# Allegro board 6089-119-RevA_41.brd (continued)
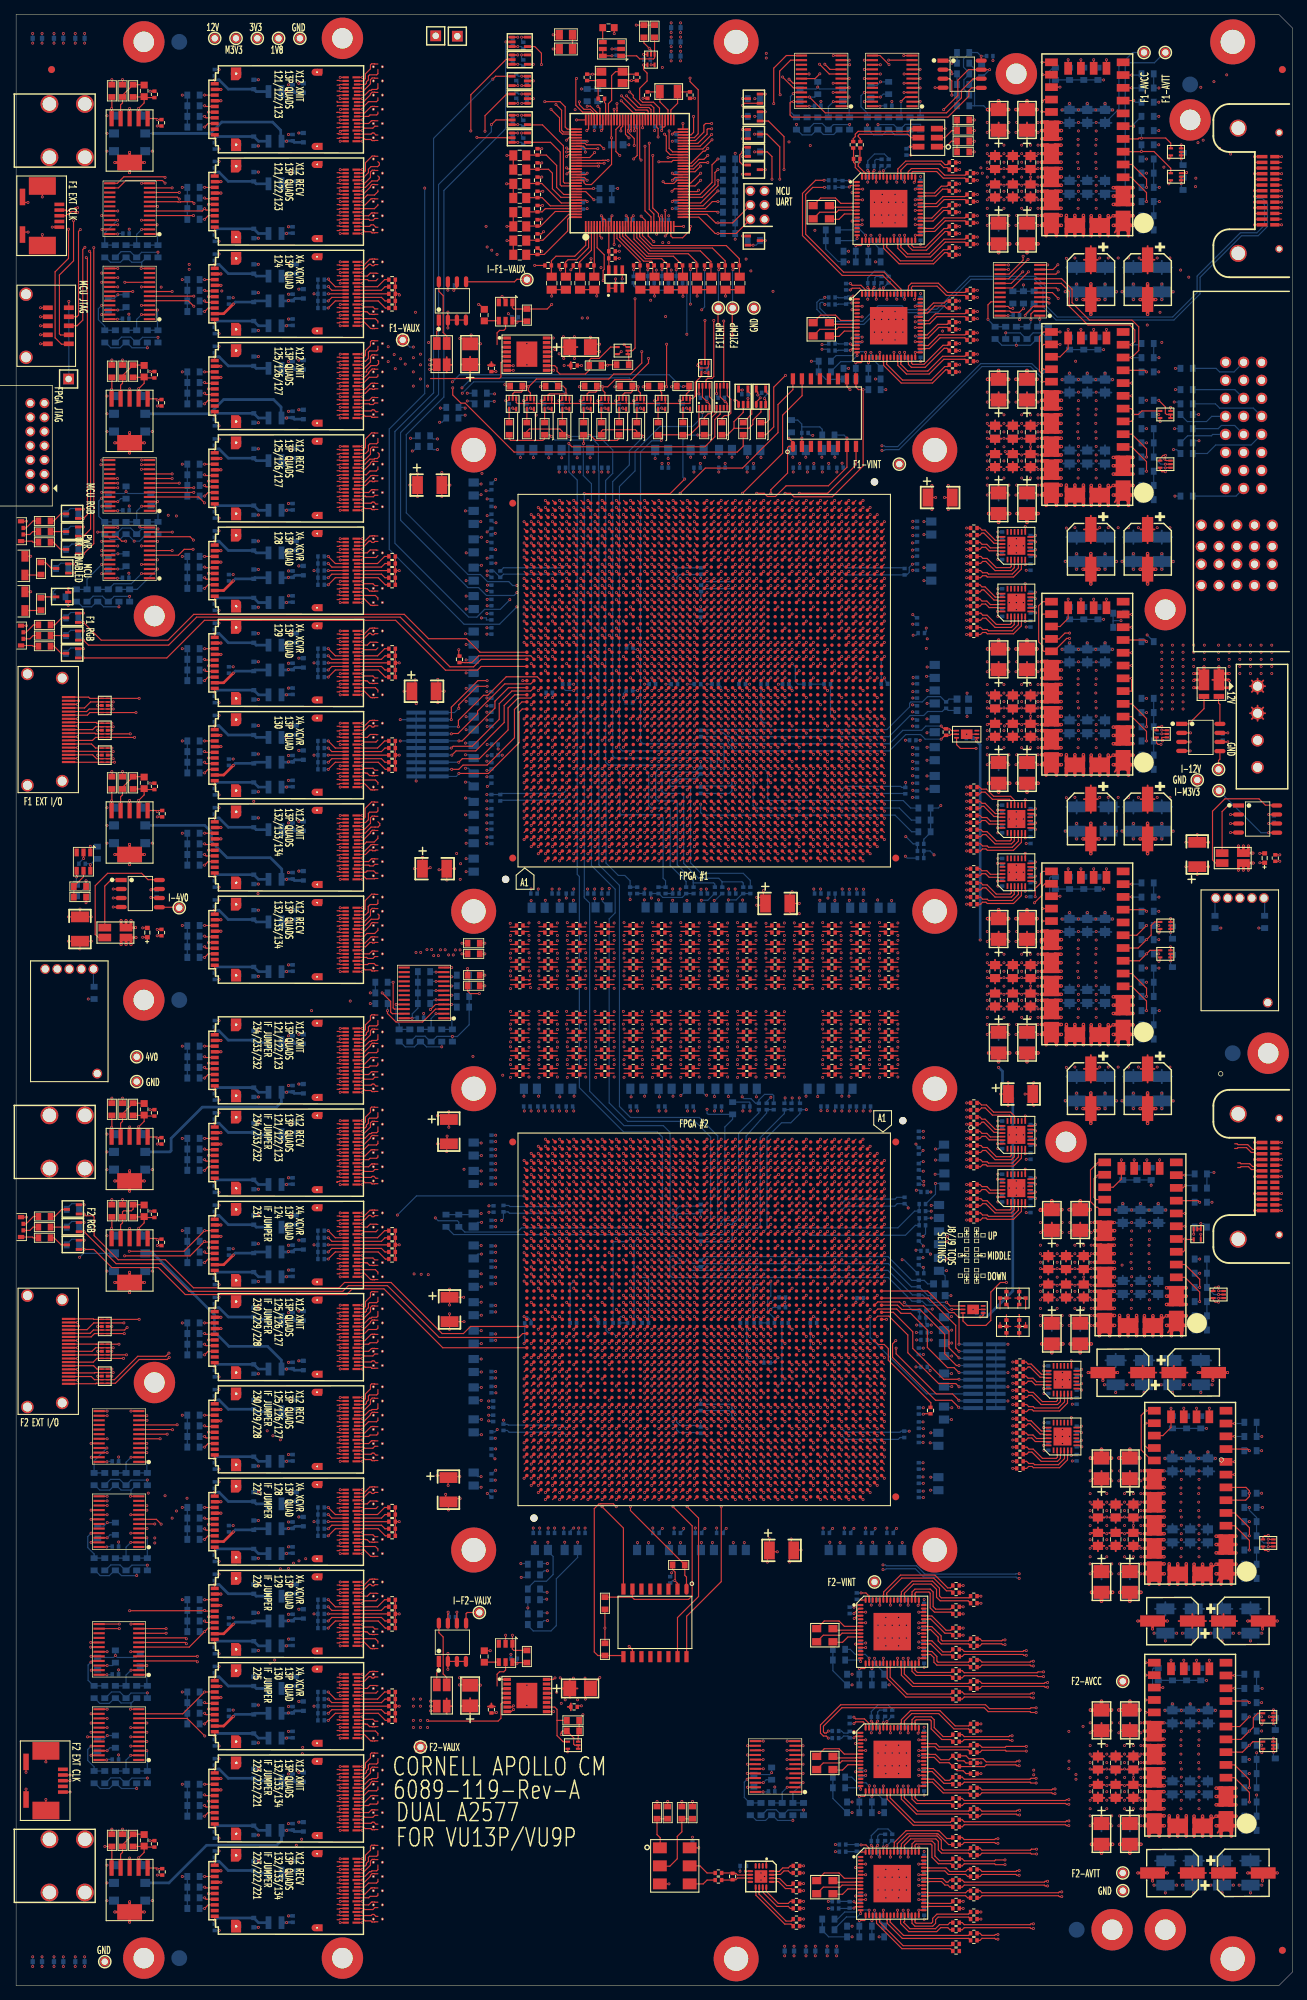
[diagram p0: board, top side]
## Routing (per net, layer and track width the routed paths; a pad name or vN(x,y) marks a point on that pad's centre or on a via; arc(x,y) is an arc through that point) (continued)
NF1_TCDS_CROSS_RECV_A: length 57.5
  TOP w0.165: 109.69,146.73 110.38,146.73 C239.2 ; U75.BH35 119.39,193.29
  SIG4 w0.083: 119.39,193.29 119.39,192.98 arc(119.37,192.92) 119.31,192.9 111.25,192.9 arc(110.93,192.76) 110.8,192.45 110.8,154.9 110.76,154.85 110.76,147.22 arc(110.55,146.71) 110.04,146.5 109.95,146.5 arc(109.92,146.51) 109.9,146.52 109.69,146.73
NF1_TCDS_CROSS_RECV_B: length 41.9
  TOP w0.165: 109.69,143.56 110.39,143.56 C242.2 ; U75.BH17 119.39,174.51
  SIG4 w0.083: 109.69,143.56 109.9,143.77 arc(109.92,143.78) 109.95,143.79 110.7,143.79 arc(111.2,144) 111.41,144.5 111.41,154.05 arc(111.45,154.24) 111.56,154.41 111.64,154.49 arc(111.91,154.9) 112.01,155.38 112.01,174.76 arc(112.05,174.86) 112.15,174.9 119.31,174.9 arc(119.37,174.88) 119.39,174.82 119.39,174.51
NF1_TCDS_CROSS_XMIT_A: length 59
  TOP w0.165: C238.2 110.39,148.56 109.69,148.56 ; U75.BG38 118.39,196.29
  SIG4 w0.083: 118.39,196.29 118.39,196.03 arc(118.44,195.9) 118.57,195.85 118.65,195.85 arc(118.9,195.75) 119,195.5 119,194.05 arc(118.9,193.8) 118.65,193.7 110.15,193.7 arc(110.01,193.64) 109.95,193.5 109.95,154.27 arc(109.95,154.24) 109.95,154.2 arc(109.96,154.15) 109.95,154.1 arc(109.95,154.06) 109.95,154.02 109.95,150.94 arc(109.98,150.81) 110.05,150.7 110.29,150.46 arc(110.37,150.34) 110.4,150.2 110.4,149.24 arc(110.27,148.92) 109.95,148.79 109.87,148.79 arc(109.81,148.77) 109.79,148.71 109.79,148.65 arc(109.76,148.59) 109.7,148.56 109.69,148.56
NF1_TCDS_CROSS_XMIT_B: length 40
  TOP w0.165: 109.69,141.06 110.39,141.06 C244.2 ; U75.BG14 118.39,171.51
  SIG4 w0.083: 118.39,171.51 118.39,171.82 arc(118.37,171.88) 118.31,171.9 113.25,171.9 arc(113.08,171.83) 113.01,171.66 113.01,154.59 arc(112.94,154.24) 112.74,153.94 112.12,153.32 arc(111.97,153.09) 111.91,152.81 111.91,142.3 arc(111.61,141.59) 110.9,141.29 109.95,141.29 arc(109.92,141.28) 109.9,141.27 109.69,141.06
NF1_TEST_CONN_0: length 121.4
  TOP w0.165: v1(13.69,172.9) U5.7 U5.4 11.34,172.9 10.79,173.44 J5.3 ; U75.BE28 v1(116.39,186.29)
  PWR3 w0.152: v1(13.69,172.9) 13.4,172.61 13.4,171.9 13.85,171.45 15.16,171.45 15.21,171.4 42.1,171.4 43.55,172.85 58.7,172.85 64.85,179 115.7,179 115.88,179.18 115.88,185.78 v1(116.39,186.29)
NF1_TEST_CONN_1: length 123.4
  TOP w0.165: U75.AY31 v1(111.39,189.29) ; v1(13.5,174.4) U5.10 U5.1 11.2,174.4 10.63,174.97 J5.6
  PWR3 w0.152: v1(13.5,174.4) 13.4,174.5 13.2,174.5 11.1,176.6 11.1,180.85 23.4,193.15 61.7,193.15 62.55,192.3 66.9,192.3 67.4,192.8 110.55,192.8 110.9,192.45 110.9,189.8 111.39,189.31 v1(111.39,189.29)
NF1_TEST_CONN_2: length 109.7
  TOP w0.165: v1(16.1,176.4) U4.7 U4.4 11.2,176.4 11.11,176.49 J5.9 ; U75.AW29 v1(110.39,187.29)
  PWR3 w0.152: v1(16.1,176.4) 16.1,175.65 16.25,175.49 20.99,175.49 25.55,180.05 60.05,180.05 65.8,185.8 109.6,185.8 109.9,186.1 109.9,186.8 v1(110.39,187.29)
NF1_TEST_CONN_3: length 110.8
  TOP w0.165: J5.12 11.28,178.02 11.4,177.9 U4.1 U4.10 v1(13.5,177.9) ; U75.AV31 v1(109.39,189.29)
  PWR3 w0.152: v1(109.39,189.29) 108.9,189.78 108.9,190.6 108.7,190.8 66.55,190.8 66.45,190.9 58.35,190.9 54.85,187.4 45.2,187.4 44.65,187.95 31.55,187.95 26.95,183.35 16.9,183.35 14.25,180.7 14.25,178.65 v1(13.5,177.9)
NF1_TEST_CONN_4: length 110.8
  TOP w0.165: U75.BA30 v1(112.39,188.29) ; J5.19 10.23,181.57 10.4,181.4 U3.1 U3.10 v1(17.35,181.4)
  PWR3 w0.152: v1(112.39,188.29) 111.9,187.8 63.55,187.8 62.6,186.85 57.75,186.85 56.25,185.35 45.35,185.35 44.85,184.85 43.65,184.85 42.15,183.35 35.44,183.35 35.29,183.2 35.29,182.75 35.14,182.6 34.83,182.6 34.68,182.75 34.68,183.2 34.53,183.35 34.22,183.35 34.07,183.2 34.07,182.75 33.92,182.6 33.61,182.6 33.46,182.75 33.46,183.2 33.31,183.35 30.78,183.35 30.78,183.36 30.16,183.36 28.4,181.6 17.55,181.6 v1(17.35,181.4)
NF1_TEST_CONN_6: length 120.9
  TOP w0.165: v1(13.69,180.9) U3.9 U3.2 10.5,180.9 9.65,180.05 J5.16 ; U75.BA28 v1(112.39,186.29)
  PWR3 w0.152: v1(112.39,186.29) 111.9,185.8 111.9,181.25 111.65,181 64.15,181 62.3,179.15 59.63,179.15 59.6,179.18 59.29,179.18 59.26,179.15 55.97,179.15 55.94,179.18 55.63,179.18 55.6,179.15 42.9,179.15 42.72,179.32 42.15,179.32 41.97,179.15 33.5,179.15 31.35,177 30.55,177 27.85,174.3 26.75,174.3 26.74,174.31 26.41,174.31 26.4,174.3 14.85,174.3 12.55,176.6 12.55,180.3 13.15,180.9 v1(13.69,180.9)
NF1F2_SPARE0: length 123.2
  TOP w0.165: U77.BH29 v1(74.61,90.51) ; U75.D30 v1(74.61,188.29)
  SIG1 w0.083: v1(74.61,188.29) 74.92,188.29 75,188.37 75,188.49 74.8,188.69 69.44,188.69 65.86,185.11 65.86,164.11 58.35,156.6 58.35,146.05 v1(58.58,146)
  SIG4 w0.083: v1(74.61,90.51) 74.92,90.51 75,90.43 75,90.31 74.8,90.11 70.79,90.11 65.11,95.79 65.11,116.24 55.46,125.89 55.46,141.91 58.31,144.76 58.31,145.87 58.4,145.96 v1(58.58,146)
NF1F2_SPARE1: length 117.9
  TOP w0.165: U75.D29 v1(74.61,187.29) ; U77.BG30 v1(75.61,89.51)
  SIG1 w0.083: v1(59.82,145.97) 60.09,146.25 60.09,154.59 66.11,160.6 67.1,160.6 68.8,162.3 68.8,173.18 68.88,173.26 68.88,173.54 68.8,173.62 68.8,184.55 71.15,186.9 74.53,186.9 74.61,186.98 v1(74.61,187.29)
  SIG4 w0.083: v1(75.61,89.51) 75.61,89.91 ; 75.61,89.91 75.61,89.98 75.95,90.32 ; 75.61,89.91 75.95,90.25 75.95,90.32 ; 75.95,90.32 75.98,90.35 75.98,94.47 75.75,94.7 70.9,94.7 67,98.6 67,119.8 60.55,126.25 60.55,133.25 60.15,133.65 60.15,145.64 v1(59.82,145.97)
NF1F2_SPARE2: length 118.3
  TOP w0.165: U77.BG27 v1(75.61,92.51) ; U75.C30 v1(73.61,188.29)
  SIG1 w0.083: v1(73.61,188.29) 73.61,187.98 73.53,187.9 70.4,187.9 66.85,184.35 66.85,162.8 66.65,162.6 66.06,162.6 58.99,155.54 58.99,145.39 59.05,145.33 v1(58.87,145.15)
  SIG4 w0.083: v1(58.87,145.15) 59.09,144.92 59.09,143.94 56.7,141.55 56.7,128.1 66,118.8 66,95.7 68.41,93.3 75.53,93.3 75.61,93.21 v1(75.61,92.51)
NF2_A_RECV0: length 15.3
  TOP w0.165: U77.AP3 88.61,117.29 ; 88.3,129.25 87.6,129.25 C132.1
  SIG2 w0.083: 87.78,127.27 87.78,127.27 87.78,127.27 ; 87.78,127.27 88.84,126.21 arc(88.95,126.04) 88.99,125.85 88.99,117.11 arc(88.93,116.96) 88.77,116.9 88.69,116.9 arc(88.63,116.92) 88.61,116.98 88.61,117.29 ; 87.78,127.27 arc(87.7,127.4) 87.67,127.55 87.67,128.67 arc(87.76,128.9) 88,129 arc(88.05,129.01) 88.09,129.04 88.3,129.25
NF2_A_RECV1: length 15.9
  TOP w0.165: U77.AR1 87.61,119.29 ; C130.1 87.64,131.71 88.3,131.71
  SIG2 w0.083: 88.3,131.71 88.1,131.51 arc(88.07,131.49) 88.04,131.49 87.96,131.49 arc(87.42,131.26) 87.19,130.72 87.19,127.33 arc(87.27,126.94) 87.48,126.62 87.82,126.28 arc(87.98,126.04) 88.04,125.75 88.04,119.16 arc(87.96,118.97) 87.77,118.9 87.69,118.9 arc(87.63,118.92) 87.61,118.98 87.61,119.29
NF2_A_RECV2: length 20.9
  TOP w0.165: C128.1 87.6,134.25 88.3,134.25 ; U77.AT3 86.61,117.29
  SIG2 w0.083: 86.61,117.29 86.61,116.98 arc(86.63,116.92) 86.69,116.9 86.77,116.9 arc(86.96,116.97) 87.04,117.16 87.04,125.35 arc(86.99,125.65) 86.84,125.92 arc(86.7,126.18) 86.64,126.46 86.64,133.42 arc(86.82,133.85) 87.25,134.02 88.04,134.02 arc(88.07,134.03) 88.1,134.05 88.3,134.25
NF2_A_RECV3: length 21.6
  TOP w0.165: C126.1 87.65,136.7 88.15,136.7 88.16,136.71 88.3,136.71 ; U77.AU1 85.61,119.29
  SIG2 w0.083: 85.61,119.29 85.61,118.98 arc(85.63,118.92) 85.69,118.9 85.77,118.9 arc(85.89,118.95) 85.94,119.06 85.94,124.54 arc(85.94,124.6) 85.96,124.67 arc(85.98,124.75) 86.01,124.84 arc(86.08,125.07) 86.1,125.3 86.1,135.57 arc(86.36,136.21) 87,136.47 88.04,136.47 arc(88.07,136.48) 88.1,136.5 88.3,136.7 arc(88.3,136.7) 88.3,136.71
NF2_A_XMIT0: length 32.8
  TOP w0.165: 88.3,141.75 87.6,141.75 C124.2 ; U77.AP8 88.61,112.29
  SIG1 w0.083: 88.61,112.29 88.61,112.13 arc(88.67,111.97) 88.83,111.91 88.91,111.91 arc(89.01,111.95) 89.05,112.05 89.04,112.06 89.04,135.83 89.04,135.83 89.04,136.3 89.04,136.3 89.04,138.56 arc(88.98,138.89) 88.79,139.16 87.84,140.12 arc(87.69,140.33) 87.64,140.59 87.64,141.08 arc(87.67,141.23) 87.75,141.35 87.82,141.42 arc(87.9,141.48) 88,141.5 arc(88.04,141.5) 88.08,141.53 88.3,141.75
NF2_A_XMIT1: length 33.5
  TOP w0.165: U77.AR6 87.61,114.29 ; C122.2 87.64,144.21 88.3,144.21
  SIG1 w0.083: 88.3,144.21 88.19,144.1 arc(88.03,144) 87.85,143.96 87.64,143.96 arc(87.48,143.93) 87.35,143.84 87.28,143.77 arc(87.22,143.68) 87.2,143.57 87.2,139.06 arc(87.25,138.78) 87.41,138.54 87.49,138.46 arc(87.6,138.3) 87.64,138.1 87.64,127.88 arc(87.68,127.68) 87.8,127.5 88,127.3 88.01,127.28 arc(88.04,127.18) 88.05,127.07 88.05,125.58 88.04,125.58 88.04,125.12 88.05,125.11 88.05,114.05 arc(88.01,113.95) 87.91,113.91 87.83,113.91 arc(87.67,113.97) 87.61,114.13 87.61,114.29
NF2_A_XMIT2: length 38.2
  TOP w0.165: 88.3,146.75 87.6,146.75 C120.2 ; U77.AT8 86.61,112.29
  SIG1 w0.083: 88.3,146.75 88.18,146.63 arc(88.05,146.54) 87.9,146.51 87.47,146.51 arc(87.41,146.51) 87.35,146.5 arc(87.13,146.44) 86.94,146.33 arc(86.88,146.29) 86.84,146.24 arc(86.69,145.99) 86.64,145.71 86.64,138.38 86.74,138 86.74,127.1 arc(86.78,126.92) 86.88,126.78 86.93,126.72 arc(87.02,126.59) 87.05,126.43 87.05,123.5 87.04,123.5 87.04,123.03 87.05,123.03 87.05,112.05 arc(87.01,111.95) 86.91,111.91 86.83,111.91 arc(86.67,111.97) 86.61,112.13 86.61,112.29
NF2_A_XMIT3: length 39.3
  TOP w0.165: C118.2 87.65,149.2 88.3,149.2 ; U77.AU6 85.61,114.29
  SIG1 w0.083: 88.3,149.2 88.17,149.07 arc(88.05,148.99) 87.9,148.96 86.62,148.96 arc(86.43,148.92) 86.27,148.81 arc(86.14,148.65) 86.07,148.47 arc(86.05,148.4) 86.05,148.34 86.05,114.05 arc(86.01,113.95) 85.91,113.91 85.83,113.91 arc(85.67,113.97) 85.61,114.13 85.61,114.29
NF2_B_RECV0: length 15.3
  TOP w0.165: 92.3,129.25 91.6,129.25 C152.1 ; U77.AK3 92.61,117.29
  SIG2 w0.083: 91.78,127.27 91.78,127.27 91.78,127.27 ; 91.78,127.27 92.84,126.21 arc(92.95,126.04) 92.99,125.85 92.99,117.11 arc(92.93,116.96) 92.77,116.9 92.69,116.9 arc(92.63,116.92) 92.61,116.98 92.61,117.29 ; 91.78,127.27 arc(91.7,127.4) 91.67,127.55 91.67,128.67 arc(91.76,128.9) 92,129 arc(92.05,129.01) 92.09,129.04 92.3,129.25
NF2_B_RECV1: length 15.9
  TOP w0.165: 92.3,131.71 91.64,131.71 C150.1 ; U77.AL1 91.61,119.29
  SIG2 w0.083: 92.3,131.71 92.1,131.51 arc(92.07,131.49) 92.04,131.49 91.96,131.49 arc(91.42,131.26) 91.19,130.72 91.19,127.33 arc(91.27,126.94) 91.48,126.62 91.82,126.28 arc(91.98,126.04) 92.04,125.75 92.04,119.16 arc(91.96,118.97) 91.77,118.9 91.69,118.9 arc(91.63,118.92) 91.61,118.98 91.61,119.29
NF2_B_RECV2: length 20.9
  TOP w0.165: U77.AM3 90.61,117.29 ; C148.1 91.6,134.25 92.3,134.25
  SIG2 w0.083: 90.61,117.29 90.61,116.98 arc(90.63,116.92) 90.69,116.9 90.77,116.9 arc(90.96,116.97) 91.04,117.16 91.04,125.35 arc(90.99,125.65) 90.84,125.92 arc(90.7,126.18) 90.64,126.46 90.64,133.42 arc(90.82,133.85) 91.25,134.02 92.04,134.02 arc(92.07,134.03) 92.1,134.05 92.3,134.25
NF2_B_RECV3: length 21.6
  TOP w0.165: 92.3,136.7 91.65,136.7 C146.1 ; U77.AN1 89.61,119.29
  SIG2 w0.083: 92.3,136.7 92.1,136.5 arc(92.07,136.48) 92.04,136.47 91,136.47 arc(90.36,136.21) 90.1,135.57 90.1,125.3 arc(90.08,125.07) 90.01,124.84 arc(89.98,124.75) 89.96,124.67 arc(89.94,124.6) 89.94,124.54 89.94,119.06 arc(89.89,118.95) 89.77,118.9 89.69,118.9 arc(89.63,118.92) 89.61,118.98 89.61,119.29
NF2_B_XMIT0: length 32.8
  TOP w0.165: U77.AK8 92.61,112.29 ; 92.3,141.75 91.6,141.75 C144.2
  SIG1 w0.083: 92.61,112.29 92.61,112.13 arc(92.67,111.97) 92.83,111.91 92.91,111.91 arc(93.01,111.95) 93.05,112.05 93.04,112.06 93.04,138.56 arc(93,138.86) 92.89,139.15 arc(92.87,139.18) 92.84,139.22 91.77,140.29 arc(91.67,140.43) 91.64,140.59 91.64,141.08 arc(91.67,141.23) 91.75,141.35 91.82,141.42 arc(91.9,141.48) 92,141.5 arc(92.04,141.5) 92.08,141.53 92.3,141.75
NF2_B_XMIT1: length 33.5
  TOP w0.165: C142.2 91.64,144.21 92.3,144.21 ; U77.AL6 91.61,114.29
  SIG1 w0.083: 91.61,114.29 91.61,114.13 arc(91.67,113.97) 91.83,113.91 91.91,113.91 arc(92.01,113.95) 92.05,114.05 92.05,125.11 92.04,125.12 92.04,125.58 92.05,125.58 92.05,127.07 arc(92.04,127.18) 92.01,127.28 92,127.3 91.8,127.5 arc(91.68,127.68) 91.64,127.88 91.64,138.1 arc(91.6,138.3) 91.49,138.46 91.41,138.54 arc(91.25,138.78) 91.2,139.06 91.2,143.57 arc(91.22,143.68) 91.28,143.77 91.35,143.84 arc(91.48,143.93) 91.64,143.96 91.85,143.96 arc(92.03,144) 92.19,144.1 92.3,144.21
NF2_B_XMIT2: length 38.2
  TOP w0.165: C140.2 91.6,146.75 92.3,146.75 ; U77.AM8 90.61,112.29
  SIG1 w0.083: 90.61,112.29 90.61,112.13 arc(90.67,111.97) 90.83,111.91 90.91,111.91 arc(91.01,111.95) 91.05,112.05 91.05,123.03 91.04,123.03 91.04,123.5 91.05,123.5 91.05,126.43 arc(91.02,126.59) 90.93,126.72 90.88,126.78 arc(90.78,126.92) 90.74,127.1 90.74,138 90.64,138.38 90.64,145.71 arc(90.69,145.99) 90.84,146.24 arc(90.88,146.29) 90.94,146.33 arc(91.13,146.44) 91.35,146.5 arc(91.41,146.51) 91.47,146.51 91.9,146.51 arc(92.05,146.54) 92.18,146.63 92.3,146.75
NF2_B_XMIT3: length 39.3
  TOP w0.165: U77.AN6 89.61,114.29 ; C138.2 91.65,149.2 92.3,149.2
  SIG1 w0.083: 92.3,149.2 92.17,149.07 arc(92.05,148.99) 91.9,148.96 90.62,148.96 arc(90.43,148.92) 90.27,148.81 arc(90.14,148.65) 90.07,148.47 arc(90.05,148.4) 90.05,148.34 90.05,114.05 arc(90.01,113.95) 89.91,113.91 89.83,113.91 arc(89.67,113.97) 89.61,114.13 89.61,114.29
NF2_C_RECV0: length 15.6
  TOP w0.165: C171.1 95.6,129.25 96.3,129.25 ; U77.AF3 97.39,117.29
  SIG2 w0.083: 97.39,117.29 97.39,116.98 arc(97.42,116.92) 97.47,116.9 97.56,116.9 arc(97.72,116.96) 97.79,117.13 97.79,124.94 arc(97.65,125.65) 97.24,126.26 95.94,127.56 arc(95.71,127.9) 95.63,128.3 95.63,128.73 arc(95.7,128.92) 95.88,129.02 arc(95.92,129.02) 95.96,129.02 96.04,129.02 arc(96.07,129.03) 96.1,129.05 96.3,129.25
NF2_C_RECV1: length 15.9
  TOP w0.165: U77.AG1 95.61,119.29 ; C169.1 95.64,131.71 96.3,131.71
  SIG2 w0.083: 95.61,119.29 95.61,118.98 arc(95.63,118.92) 95.69,118.9 95.77,118.9 arc(95.96,118.97) 96.04,119.16 96.04,125.75 arc(95.98,126.04) 95.82,126.28 95.48,126.62 arc(95.27,126.94) 95.19,127.33 95.19,130.72 arc(95.42,131.26) 95.96,131.49 96.04,131.49 arc(96.07,131.49) 96.1,131.51 96.3,131.71
NF2_C_RECV2: length 20.9
  TOP w0.165: C167.1 95.6,134.25 96.3,134.25 ; U77.AH3 94.61,117.29
  SIG2 w0.083: 96.3,134.25 96.1,134.05 arc(96.07,134.03) 96.04,134.02 95.25,134.02 arc(94.82,133.85) 94.64,133.42 94.64,126.46 arc(94.7,126.18) 94.84,125.92 arc(94.99,125.65) 95.04,125.35 95.04,117.16 arc(94.96,116.97) 94.77,116.9 94.69,116.9 arc(94.63,116.92) 94.61,116.98 94.61,117.29
NF2_C_RECV3: length 21.6
  TOP w0.165: U77.AJ1 93.61,119.29 ; C165.1 95.65,136.7 96.3,136.7
  SIG2 w0.083: 93.61,119.29 93.61,118.98 arc(93.63,118.92) 93.69,118.9 93.77,118.9 arc(93.89,118.95) 93.94,119.06 93.94,124.54 arc(93.94,124.6) 93.96,124.67 arc(93.98,124.75) 94.01,124.84 arc(94.08,125.07) 94.1,125.3 94.1,135.57 arc(94.36,136.21) 95,136.47 96.04,136.47 arc(96.07,136.48) 96.1,136.5 96.3,136.7
NF2_C_XMIT0: length 33
  TOP w0.165: 96.3,141.75 95.6,141.75 C163.2 ; U77.AF8 97.39,112.29
  SIG1 w0.083: 97.39,112.29 97.39,112.06 arc(97.44,111.95) 97.55,111.9 arc(97.73,111.97) 97.8,112.15 97.8,125.04 arc(97.68,125.65) 97.34,126.16 97.27,126.23 arc(97.1,126.48) 97.04,126.79 97.04,138.56 arc(96.99,138.84) 96.83,139.07 95.74,140.16 arc(95.67,140.27) 95.64,140.4 95.64,141.08 arc(95.67,141.23) 95.75,141.35 95.82,141.42 arc(95.9,141.48) 96,141.5 arc(96.04,141.5) 96.08,141.53 96.3,141.75
NF2_C_XMIT1: length 33.5
  TOP w0.165: U77.AG6 95.61,114.29 ; C161.2 95.64,144.21 96.3,144.21
  SIG1 w0.083: 96.3,144.21 96.19,144.1 arc(96.03,144) 95.85,143.96 95.64,143.96 arc(95.48,143.93) 95.35,143.84 95.28,143.77 arc(95.22,143.68) 95.2,143.57 95.2,139.06 arc(95.25,138.78) 95.41,138.54 95.49,138.46 arc(95.6,138.3) 95.64,138.1 95.64,127.88 arc(95.68,127.68) 95.8,127.5 96,127.3 96.01,127.28 arc(96.04,127.18) 96.05,127.07 96.05,125.58 96.04,125.58 96.04,125.12 96.05,125.11 96.05,114.05 arc(96.01,113.95) 95.91,113.91 95.83,113.91 arc(95.67,113.97) 95.61,114.13 95.61,114.29
NF2_C_XMIT2: length 38.2
  TOP w0.165: U77.AH8 94.61,112.29 ; C159.2 95.6,146.75 96.3,146.75
  SIG1 w0.083: 96.3,146.75 96.18,146.63 arc(96.05,146.54) 95.9,146.51 95.47,146.51 arc(95.41,146.51) 95.35,146.5 arc(95.13,146.44) 94.94,146.33 arc(94.88,146.29) 94.84,146.24 arc(94.69,145.99) 94.64,145.71 94.64,138.38 94.74,138 94.74,127.1 arc(94.78,126.92) 94.88,126.78 94.93,126.72 arc(95.02,126.59) 95.05,126.43 95.05,123.5 95.04,123.5 95.04,123.03 95.05,123.03 95.05,112.05 arc(95.01,111.95) 94.91,111.91 94.83,111.91 arc(94.67,111.97) 94.61,112.13 94.61,112.29
NF2_C_XMIT3: length 39.3
  TOP w0.165: 96.3,149.2 95.65,149.2 C157.2 ; U77.AJ6 93.61,114.29
  SIG1 w0.083: 96.3,149.2 96.17,149.07 arc(96.05,148.99) 95.9,148.96 94.62,148.96 arc(94.43,148.92) 94.27,148.81 arc(94.14,148.65) 94.07,148.47 arc(94.05,148.4) 94.05,148.34 94.05,114.05 arc(94.01,113.95) 93.91,113.91 93.83,113.91 arc(93.67,113.97) 93.61,114.13 93.61,114.29
NF2_D_RECV0: length 15.6
  TOP w0.165: U77.AB3 101.39,117.29 ; C189.1 99.6,129.25 100.3,129.25
  SIG2 w0.083: 100.3,129.25 100.1,129.05 arc(100.07,129.03) 100.04,129.02 99.96,129.02 arc(99.92,129.02) 99.88,129.02 arc(99.7,128.92) 99.63,128.73 99.63,128.3 arc(99.71,127.9) 99.94,127.56 101.24,126.26 arc(101.65,125.65) 101.79,124.94 101.79,117.13 arc(101.72,116.96) 101.56,116.9 101.47,116.9 arc(101.42,116.92) 101.39,116.98 101.39,117.29
NF2_D_RECV1: length 16.1
  TOP w0.165: 100.3,131.71 99.64,131.71 C187.1 ; U77.AC1 100.39,119.29
  SIG2 w0.083: 100.3,131.71 100.1,131.51 arc(100.07,131.49) 100.04,131.49 99.96,131.49 arc(99.42,131.26) 99.19,130.72 99.19,127.78 arc(99.29,127.3) 99.56,126.89 100.34,126.11 arc(100.67,125.61) 100.79,125.03 100.79,119.13 arc(100.72,118.96) 100.56,118.9 100.47,118.9 arc(100.42,118.92) 100.39,118.98 100.39,119.29
NF2_D_RECV2: length 21.1
  TOP w0.165: C185.1 99.6,134.25 100.3,134.25 ; U77.AD3 99.39,117.29
  SIG2 w0.083: 100.3,134.25 100.1,134.05 arc(100.07,134.03) 100.04,134.02 99.25,134.02 arc(98.82,133.85) 98.64,133.42 98.64,127.51 arc(98.78,126.82) 99.17,126.23 99.44,125.96 arc(99.7,125.57) 99.79,125.11 99.79,117.13 arc(99.72,116.96) 99.56,116.9 99.47,116.9 arc(99.42,116.92) 99.39,116.98 99.39,117.29
NF2_D_RECV3: length 21.8
  TOP w0.165: U77.AE1 98.39,119.29 ; 100.3,136.7 99.65,136.7 C183.1
  SIG2 w0.083: 100.3,136.7 100.1,136.5 arc(100.07,136.48) 100.04,136.47 99,136.47 arc(98.36,136.21) 98.1,135.57 98.1,127.02 arc(98.25,126.26) 98.68,125.62 arc(98.76,125.5) 98.79,125.35 98.79,119.13 arc(98.72,118.96) 98.56,118.9 98.47,118.9 arc(98.42,118.92) 98.39,118.98 98.39,119.29
NF2_D_XMIT0: length 33.1
  TOP w0.165: C181.2 99.6,141.75 100.3,141.75 ; U77.AB8 101.39,112.29
  SIG1 w0.083: 101.39,112.29 101.39,111.98 arc(101.42,111.92) 101.47,111.9 101.56,111.9 arc(101.72,111.96) 101.79,112.13 101.79,125.75 arc(101.72,126.08) 101.54,126.36 101.1,126.8 arc(101.03,126.91) 101,127.04 101,138.55 arc(100.93,138.92) 100.72,139.23 99.82,140.13 arc(99.71,140.3) 99.67,140.5 99.67,141.23 arc(99.75,141.44) 99.96,141.52 100.04,141.52 arc(100.07,141.53) 100.1,141.55 100.3,141.75
NF2_D_XMIT1: length 33.8
  TOP w0.165: U77.AC6 100.39,114.29 ; C179.2 99.64,144.21 100.3,144.21
  SIG1 w0.083: 100.39,114.29 100.39,114.01 arc(100.45,113.86) 100.6,113.8 arc(100.74,113.86) 100.8,114 100.8,125.5 arc(100.71,125.96) 100.45,126.35 100.1,126.7 arc(99.84,127.09) 99.75,127.55 99.75,127.6 99.74,127.61 99.74,139.01 arc(99.64,139.51) 99.36,139.94 arc(99.21,140.17) 99.15,140.45 99.15,143.18 arc(99.39,143.75) 99.96,143.98 100.04,143.98 arc(100.07,143.99) 100.1,144.01 100.3,144.21
NF2_D_XMIT2: length 38.5
  TOP w0.165: C177.2 99.6,146.75 100.3,146.75 ; U77.AD8 99.39,112.29
  SIG1 w0.083: 99.39,112.29 99.39,112.06 arc(99.44,111.95) 99.55,111.9 arc(99.73,111.97) 99.8,112.15 99.8,126.06 arc(99.76,126.29) 99.63,126.47 99.14,126.97 99.12,126.97 99.09,127.01 99.07,127.02 99.04,127.08 99.01,127.13 99.01,127.15 99.01,127.16 99.01,127.16 98.99,127.21 98.99,138.95 arc(98.98,139.02) 98.96,139.08 98.91,139.17 98.89,139.19 arc(98.71,139.53) 98.65,139.9 98.65,143.4 arc(98.69,143.62) 98.82,143.81 98.93,143.92 arc(98.97,143.99) 98.99,144.07 98.99,146.22 arc(99.05,146.4) 99.21,146.5 arc(99.3,146.52) 99.4,146.52 100.04,146.52 arc(100.07,146.53) 100.1,146.55 100.3,146.75
NF2_D_XMIT3: length 39.4
  TOP w0.165: U77.AE6 98.39,114.29 ; C175.2 99.65,149.2 100.3,149.2
  SIG1 w0.083: 100.3,149.2 100.1,149 arc(100.07,148.98) 100.04,148.97 98.75,148.97 arc(98.33,148.8) 98.15,148.37 98.15,127.13 arc(98.2,126.87) 98.35,126.65 arc(98.61,126.32) 98.78,125.93 arc(98.79,125.89) 98.79,125.85 98.79,114.13 arc(98.72,113.96) 98.56,113.9 98.47,113.9 arc(98.42,113.92) 98.39,113.98 98.39,114.29
NF2_E_RECV0: length 15.6
  TOP w0.165: 104.3,129.25 103.6,129.25 C209.1 ; U77.V3 105.39,117.29
  SIG2 w0.083: 104.3,129.25 104.1,129.05 arc(104.07,129.03) 104.04,129.02 103.96,129.02 arc(103.92,129.02) 103.88,129.02 arc(103.7,128.92) 103.63,128.73 103.63,128.3 arc(103.71,127.9) 103.94,127.56 105.24,126.26 arc(105.65,125.65) 105.79,124.94 105.79,117.13 arc(105.72,116.96) 105.56,116.9 105.47,116.9 arc(105.42,116.92) 105.39,116.98 105.39,117.29
NF2_E_RECV1: length 16.1
  TOP w0.165: C207.1 103.64,131.71 104.3,131.71 ; U77.W1 104.39,119.29
  SIG2 w0.083: 104.3,131.71 104.1,131.51 arc(104.07,131.49) 104.04,131.49 103.96,131.49 arc(103.42,131.26) 103.19,130.72 103.19,127.78 arc(103.29,127.3) 103.56,126.89 104.34,126.11 arc(104.67,125.61) 104.79,125.03 104.79,119.13 arc(104.72,118.96) 104.56,118.9 104.47,118.9 arc(104.42,118.92) 104.39,118.98 104.39,119.29
NF2_E_RECV2: length 21.1
  TOP w0.165: U77.Y3 103.39,117.29 ; C205.1 103.6,134.25 104.3,134.25
  SIG2 w0.083: 104.3,134.25 104.1,134.05 arc(104.07,134.03) 104.04,134.02 103.25,134.02 arc(102.82,133.85) 102.64,133.42 102.64,127.51 arc(102.78,126.82) 103.17,126.23 103.44,125.96 arc(103.7,125.57) 103.79,125.11 103.79,117.13 arc(103.72,116.96) 103.56,116.9 103.47,116.9 arc(103.42,116.92) 103.39,116.98 103.39,117.29
NF2_E_RECV3: length 21.8
  TOP w0.165: C203.1 103.65,136.7 104.3,136.7 ; U77.AA1 102.39,119.29
  SIG2 w0.083: 104.3,136.7 104.1,136.5 arc(104.07,136.48) 104.04,136.47 103,136.47 arc(102.36,136.21) 102.1,135.57 102.1,127.02 arc(102.25,126.26) 102.68,125.62 arc(102.76,125.5) 102.79,125.35 102.79,119.13 arc(102.72,118.96) 102.56,118.9 102.47,118.9 arc(102.42,118.92) 102.39,118.98 102.39,119.29
NF2_E_XMIT0: length 33.1
  TOP w0.165: U77.V8 105.39,112.29 ; C201.2 103.6,141.75 104.3,141.75
  SIG1 w0.083: 104.3,141.75 104.1,141.55 arc(104.07,141.53) 104.04,141.52 103.96,141.52 arc(103.75,141.44) 103.67,141.23 103.67,140.5 arc(103.71,140.3) 103.82,140.13 104.72,139.23 arc(104.93,138.92) 105,138.55 105,127.47 arc(105.08,127.08) 105.3,126.75 105.43,126.62 arc(105.7,126.22) 105.79,125.75 105.79,112.13 arc(105.72,111.96) 105.56,111.9 105.47,111.9 arc(105.42,111.92) 105.39,111.98 105.39,112.29
NF2_E_XMIT1: length 33.8
  TOP w0.165: 104.3,144.21 103.64,144.21 C199.2 ; U77.W6 104.39,114.29
  SIG1 w0.083: 104.3,144.21 104.1,144.01 arc(104.07,143.99) 104.04,143.98 103.96,143.98 arc(103.39,143.75) 103.15,143.18 103.15,140.45 arc(103.21,140.17) 103.36,139.94 arc(103.64,139.51) 103.74,139.01 103.74,127.68 arc(103.85,127.15) 104.15,126.7 104.62,126.23 arc(104.75,126.03) 104.8,125.8 104.8,114 arc(104.74,113.86) 104.6,113.8 arc(104.45,113.86) 104.39,114.01 104.39,114.29
NF2_E_XMIT2: length 38.5
  TOP w0.165: C197.2 103.6,146.75 104.3,146.75 ; U77.Y8 103.39,112.29
  SIG1 w0.083: 104.3,146.75 104.1,146.55 arc(104.07,146.53) 104.04,146.52 103.4,146.52 arc(103.3,146.52) 103.21,146.5 arc(103.05,146.4) 102.99,146.22 102.99,144.07 arc(102.97,143.99) 102.93,143.92 102.82,143.81 arc(102.69,143.62) 102.65,143.4 102.65,139.9 arc(102.71,139.53) 102.89,139.19 102.91,139.17 102.96,139.08 arc(102.98,139.02) 102.99,138.95 102.99,138.85 102.99,127.21 103.01,127.16 103.01,127.16 103.01,127.15 103.01,127.13 103.04,127.08 103.07,127.02 103.09,127.01 103.12,126.97 103.14,126.97 103.63,126.47 arc(103.76,126.29) 103.8,126.06 103.8,112.15 arc(103.73,111.97) 103.55,111.9 arc(103.44,111.95) 103.39,112.06 103.39,112.29
NF2_E_XMIT3: length 39.4
  TOP w0.165: U77.AA6 102.39,114.29 ; 104.3,149.2 103.65,149.2 C195.2
  SIG1 w0.083: 102.39,114.29 102.39,113.98 arc(102.42,113.92) 102.47,113.9 102.56,113.9 102.72,113.96 102.79,114.13 102.79,125.62 arc(102.76,125.8) 102.66,125.95 102.65,125.95 arc(102.51,126.17) 102.45,126.44 102.45,127.28 arc(102.45,127.32) 102.44,127.36 arc(102.42,127.43) 102.39,127.48 arc(102.37,127.52) 102.34,127.56 arc(102.2,127.8) 102.15,128.07 102.15,148.37 arc(102.33,148.8) 102.75,148.97 104.04,148.97 arc(104.07,148.98) 104.1,149 104.3,149.2
NF2_F_RECV0: length 15.6
  TOP w0.165: U77.P3 109.39,117.29 ; C225.1 107.6,129.25 108.3,129.25
  SIG2 w0.083: 109.39,117.29 109.39,116.98 arc(109.42,116.92) 109.47,116.9 109.56,116.9 arc(109.72,116.96) 109.79,117.13 109.79,124.94 arc(109.65,125.65) 109.24,126.26 107.94,127.56 arc(107.71,127.9) 107.63,128.3 107.63,128.73 arc(107.7,128.92) 107.88,129.02 arc(107.92,129.02) 107.96,129.02 108.04,129.02 arc(108.07,129.03) 108.1,129.05 108.3,129.25
NF2_F_RECV1: length 16.1
  TOP w0.165: 108.3,131.71 107.64,131.71 C223.1 ; U77.R1 108.39,119.29
  SIG2 w0.083: 108.39,119.29 108.39,118.98 arc(108.42,118.92) 108.47,118.9 108.56,118.9 arc(108.72,118.96) 108.79,119.13 108.79,125.03 arc(108.67,125.61) 108.34,126.11 107.56,126.89 arc(107.29,127.3) 107.19,127.78 107.19,130.72 arc(107.42,131.26) 107.96,131.49 108.04,131.49 arc(108.07,131.49) 108.1,131.51 108.3,131.71
